# Altium PCB CM_PCB.PcbDoc (part 1 of 7) (continued)
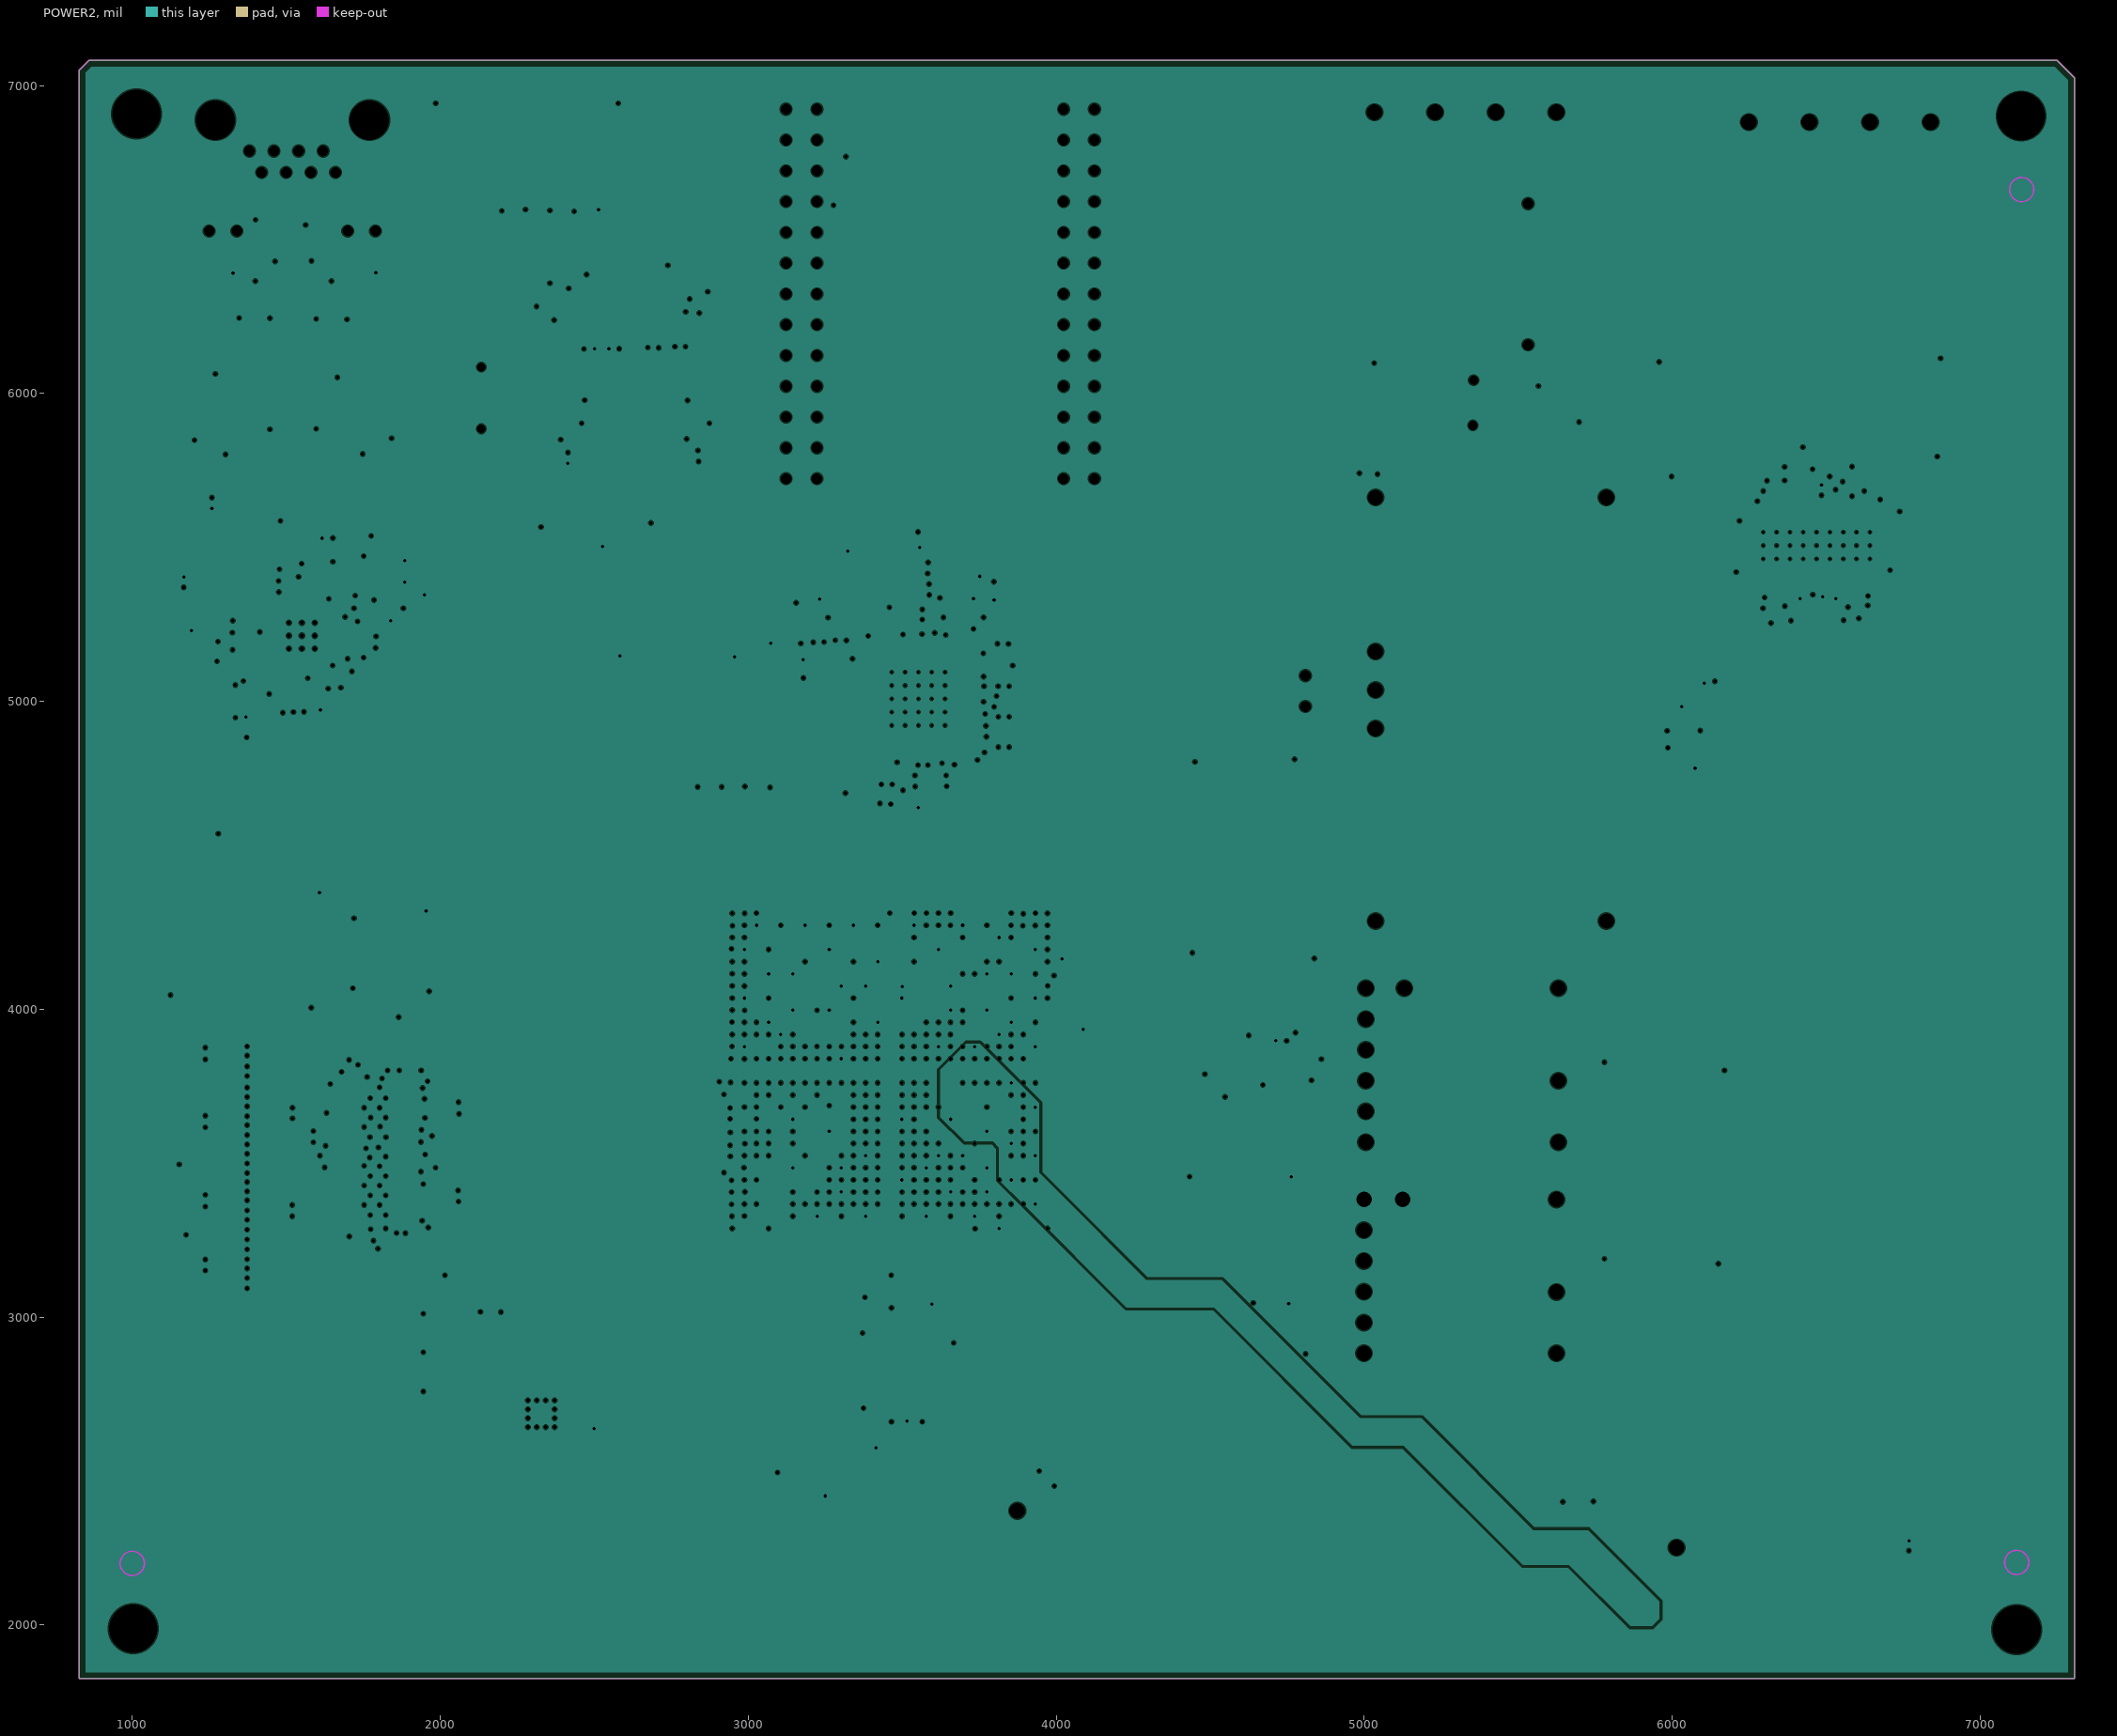
[diagram p8: POWER2, clearances drawn from the general rule]
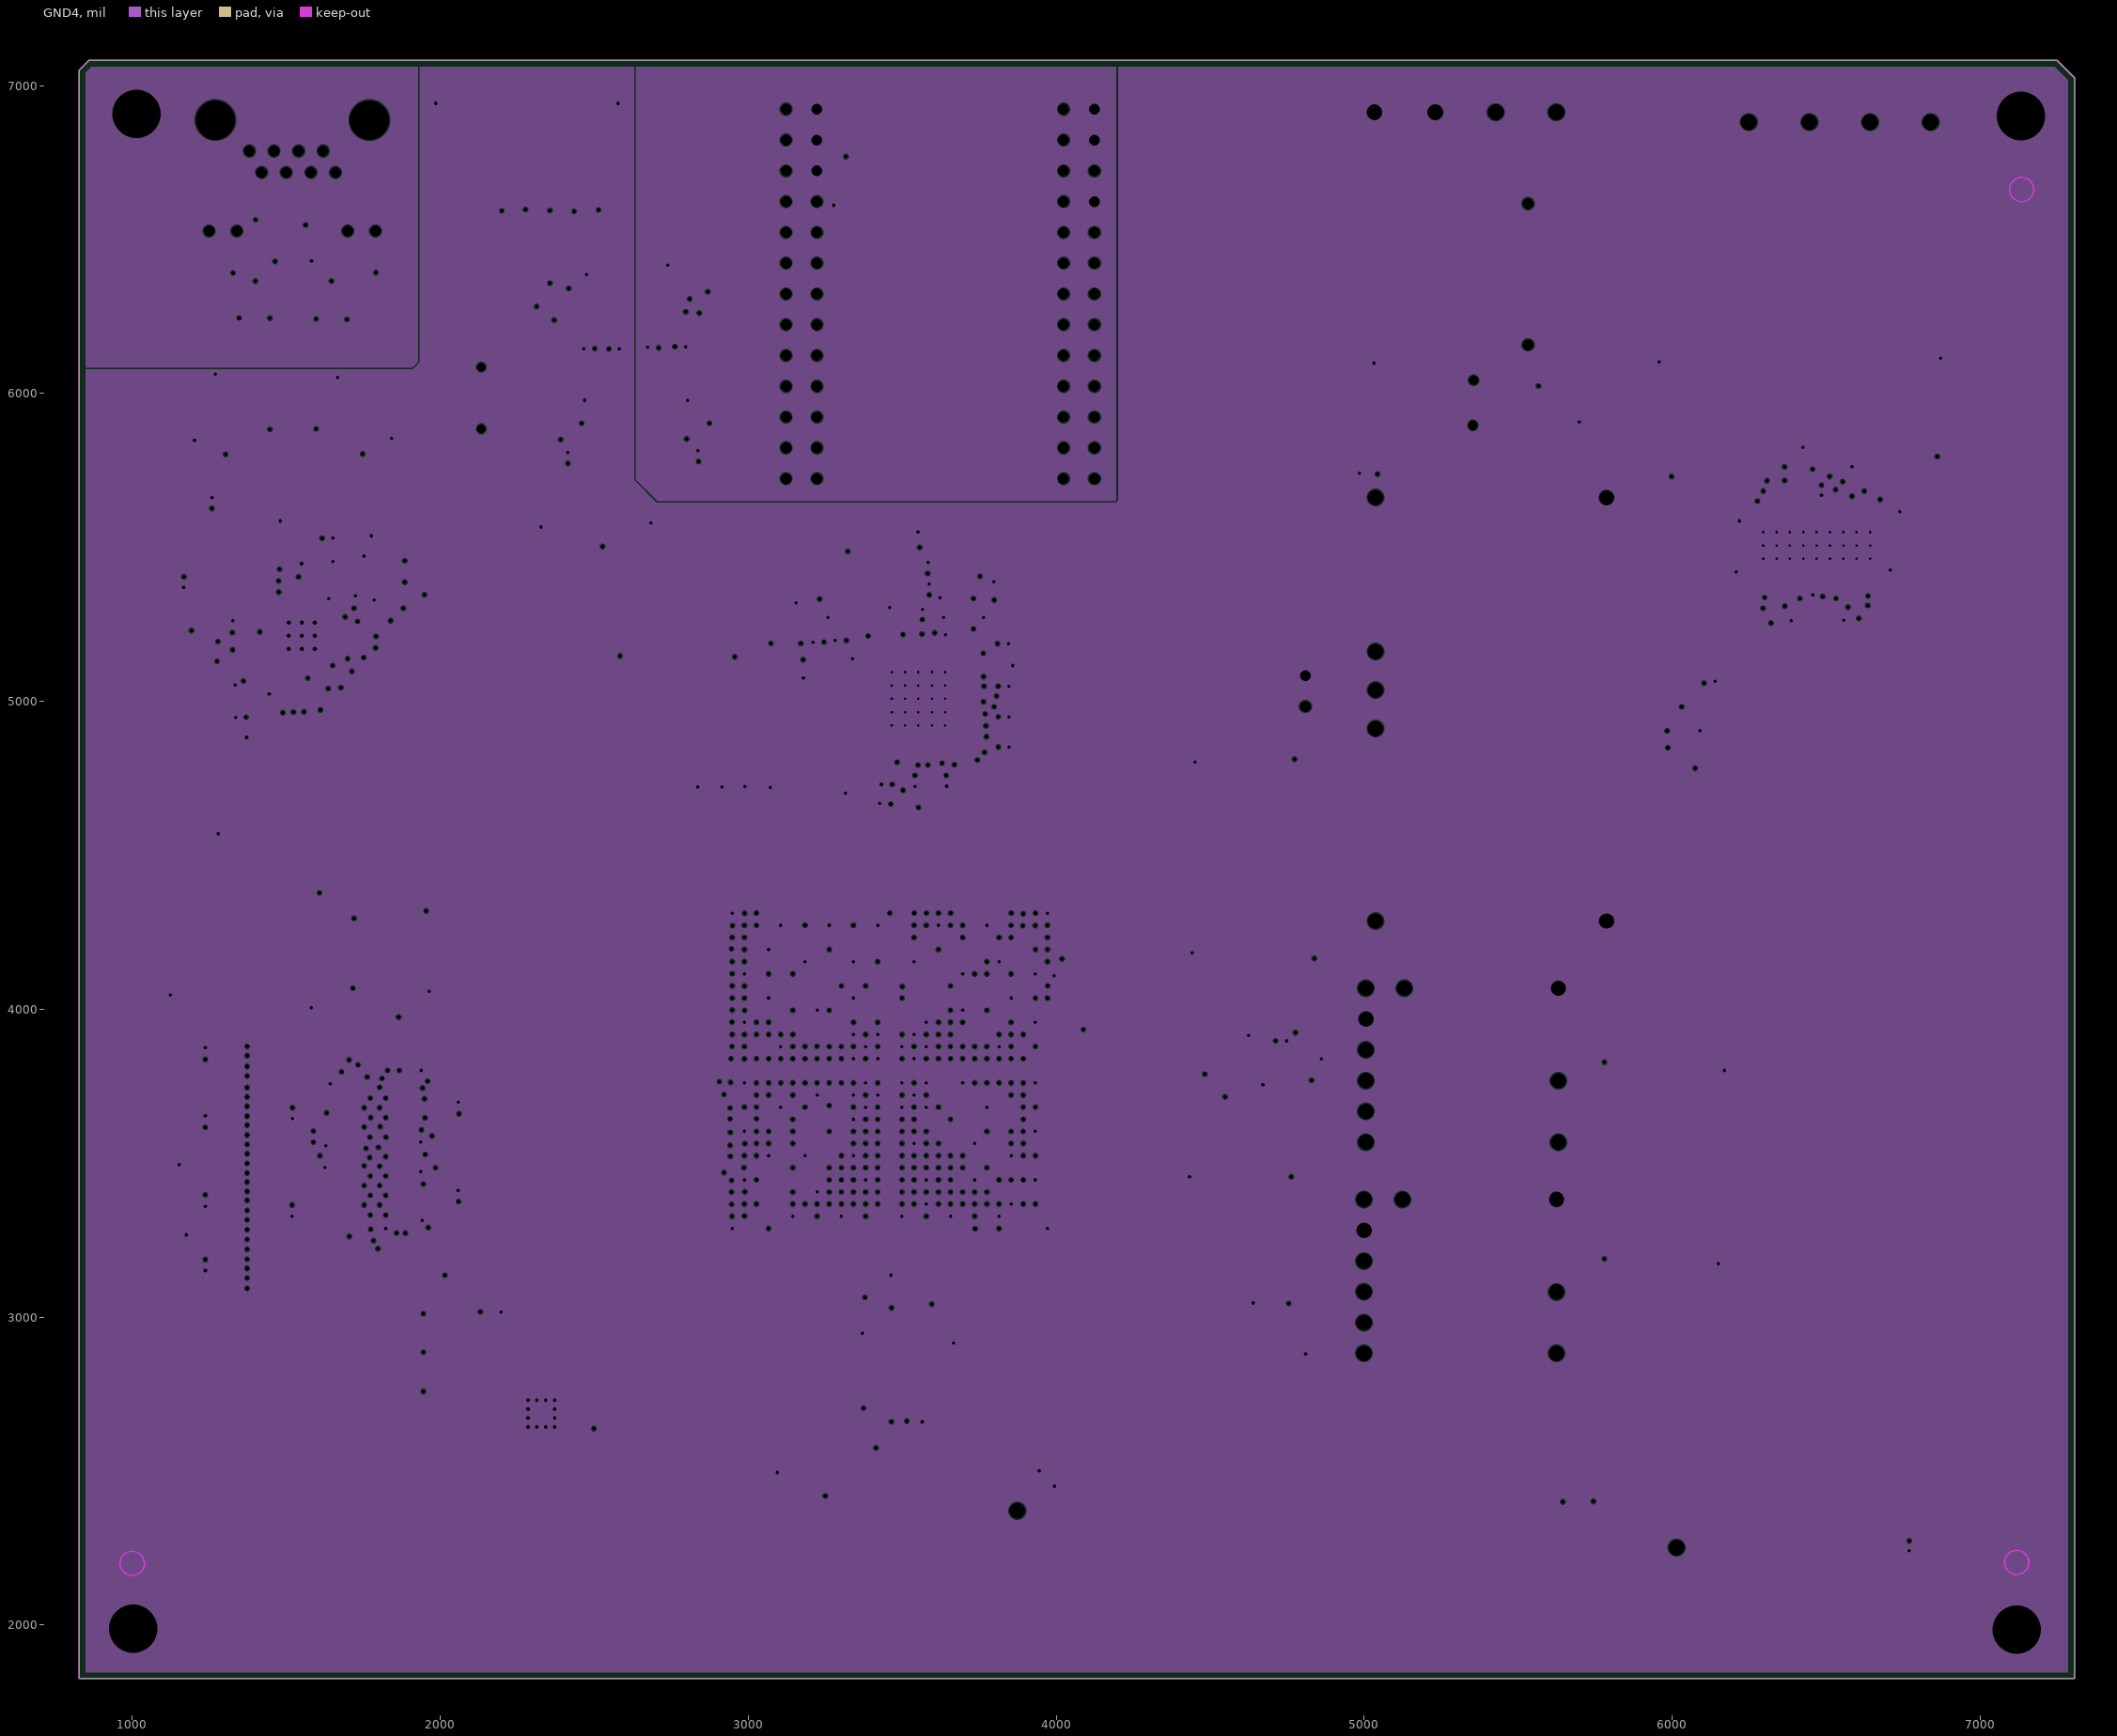
[diagram p9: GND4, clearances drawn from the general rule]
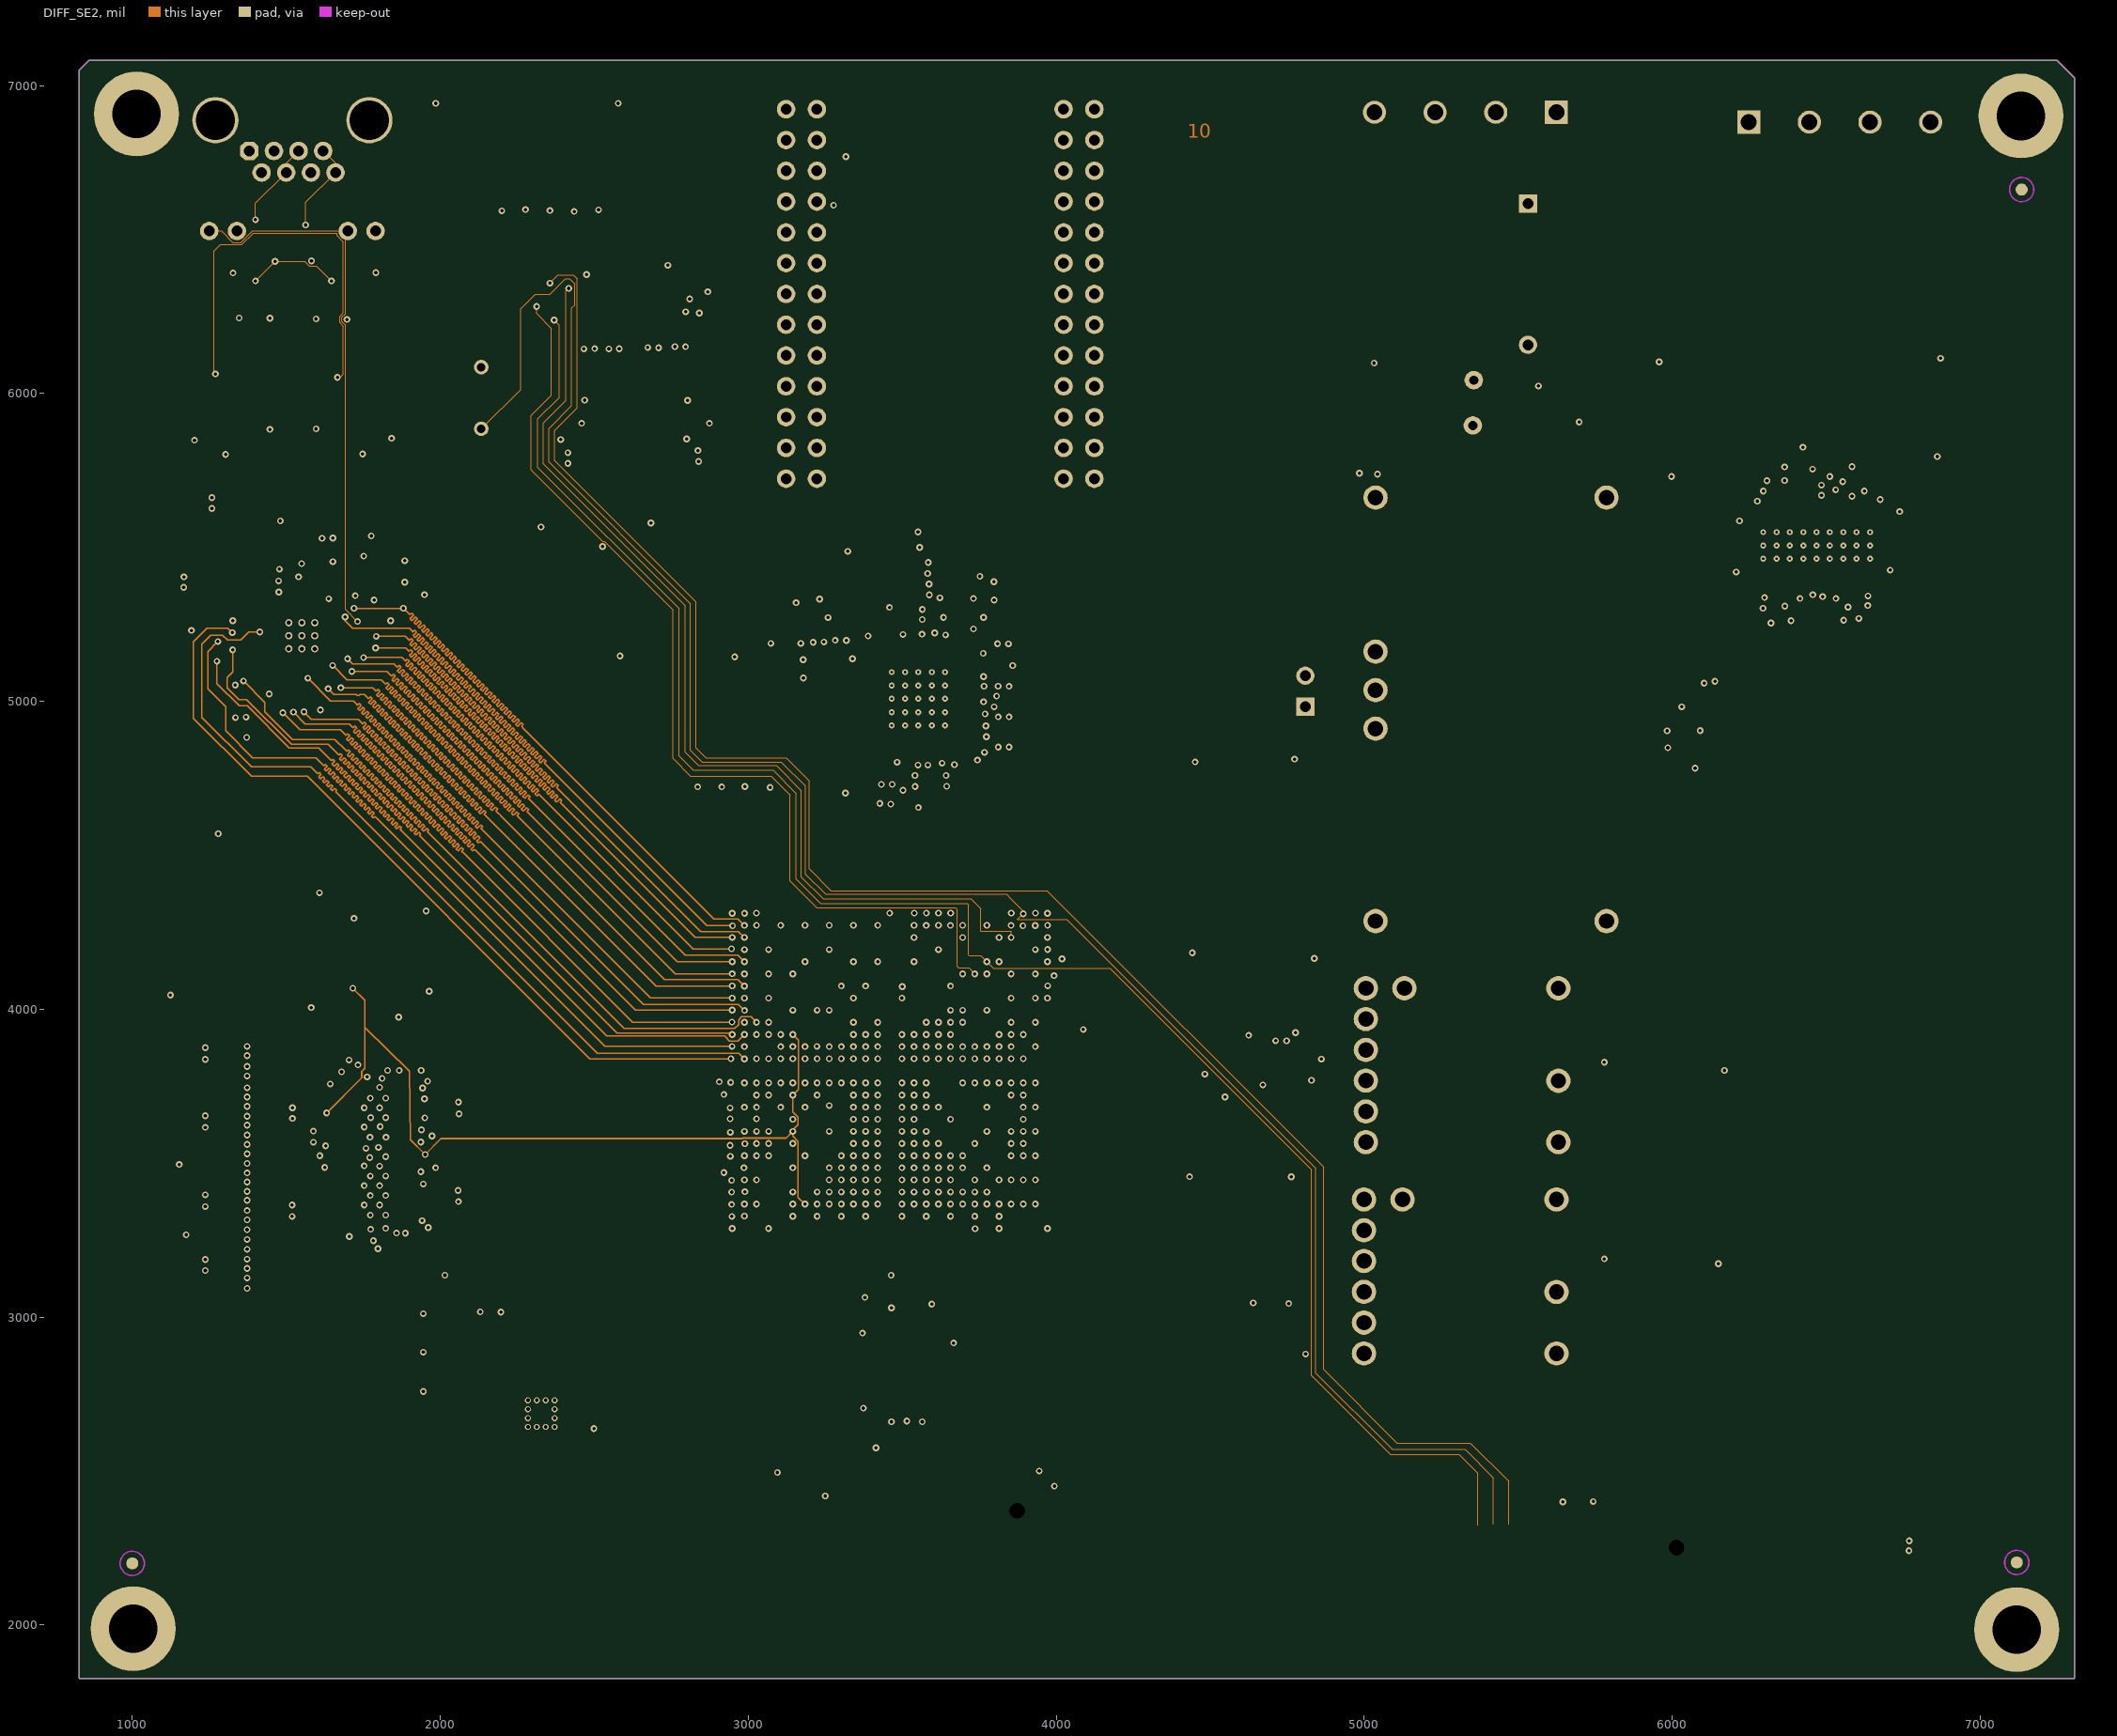
[diagram p10: DIFF_SE2]
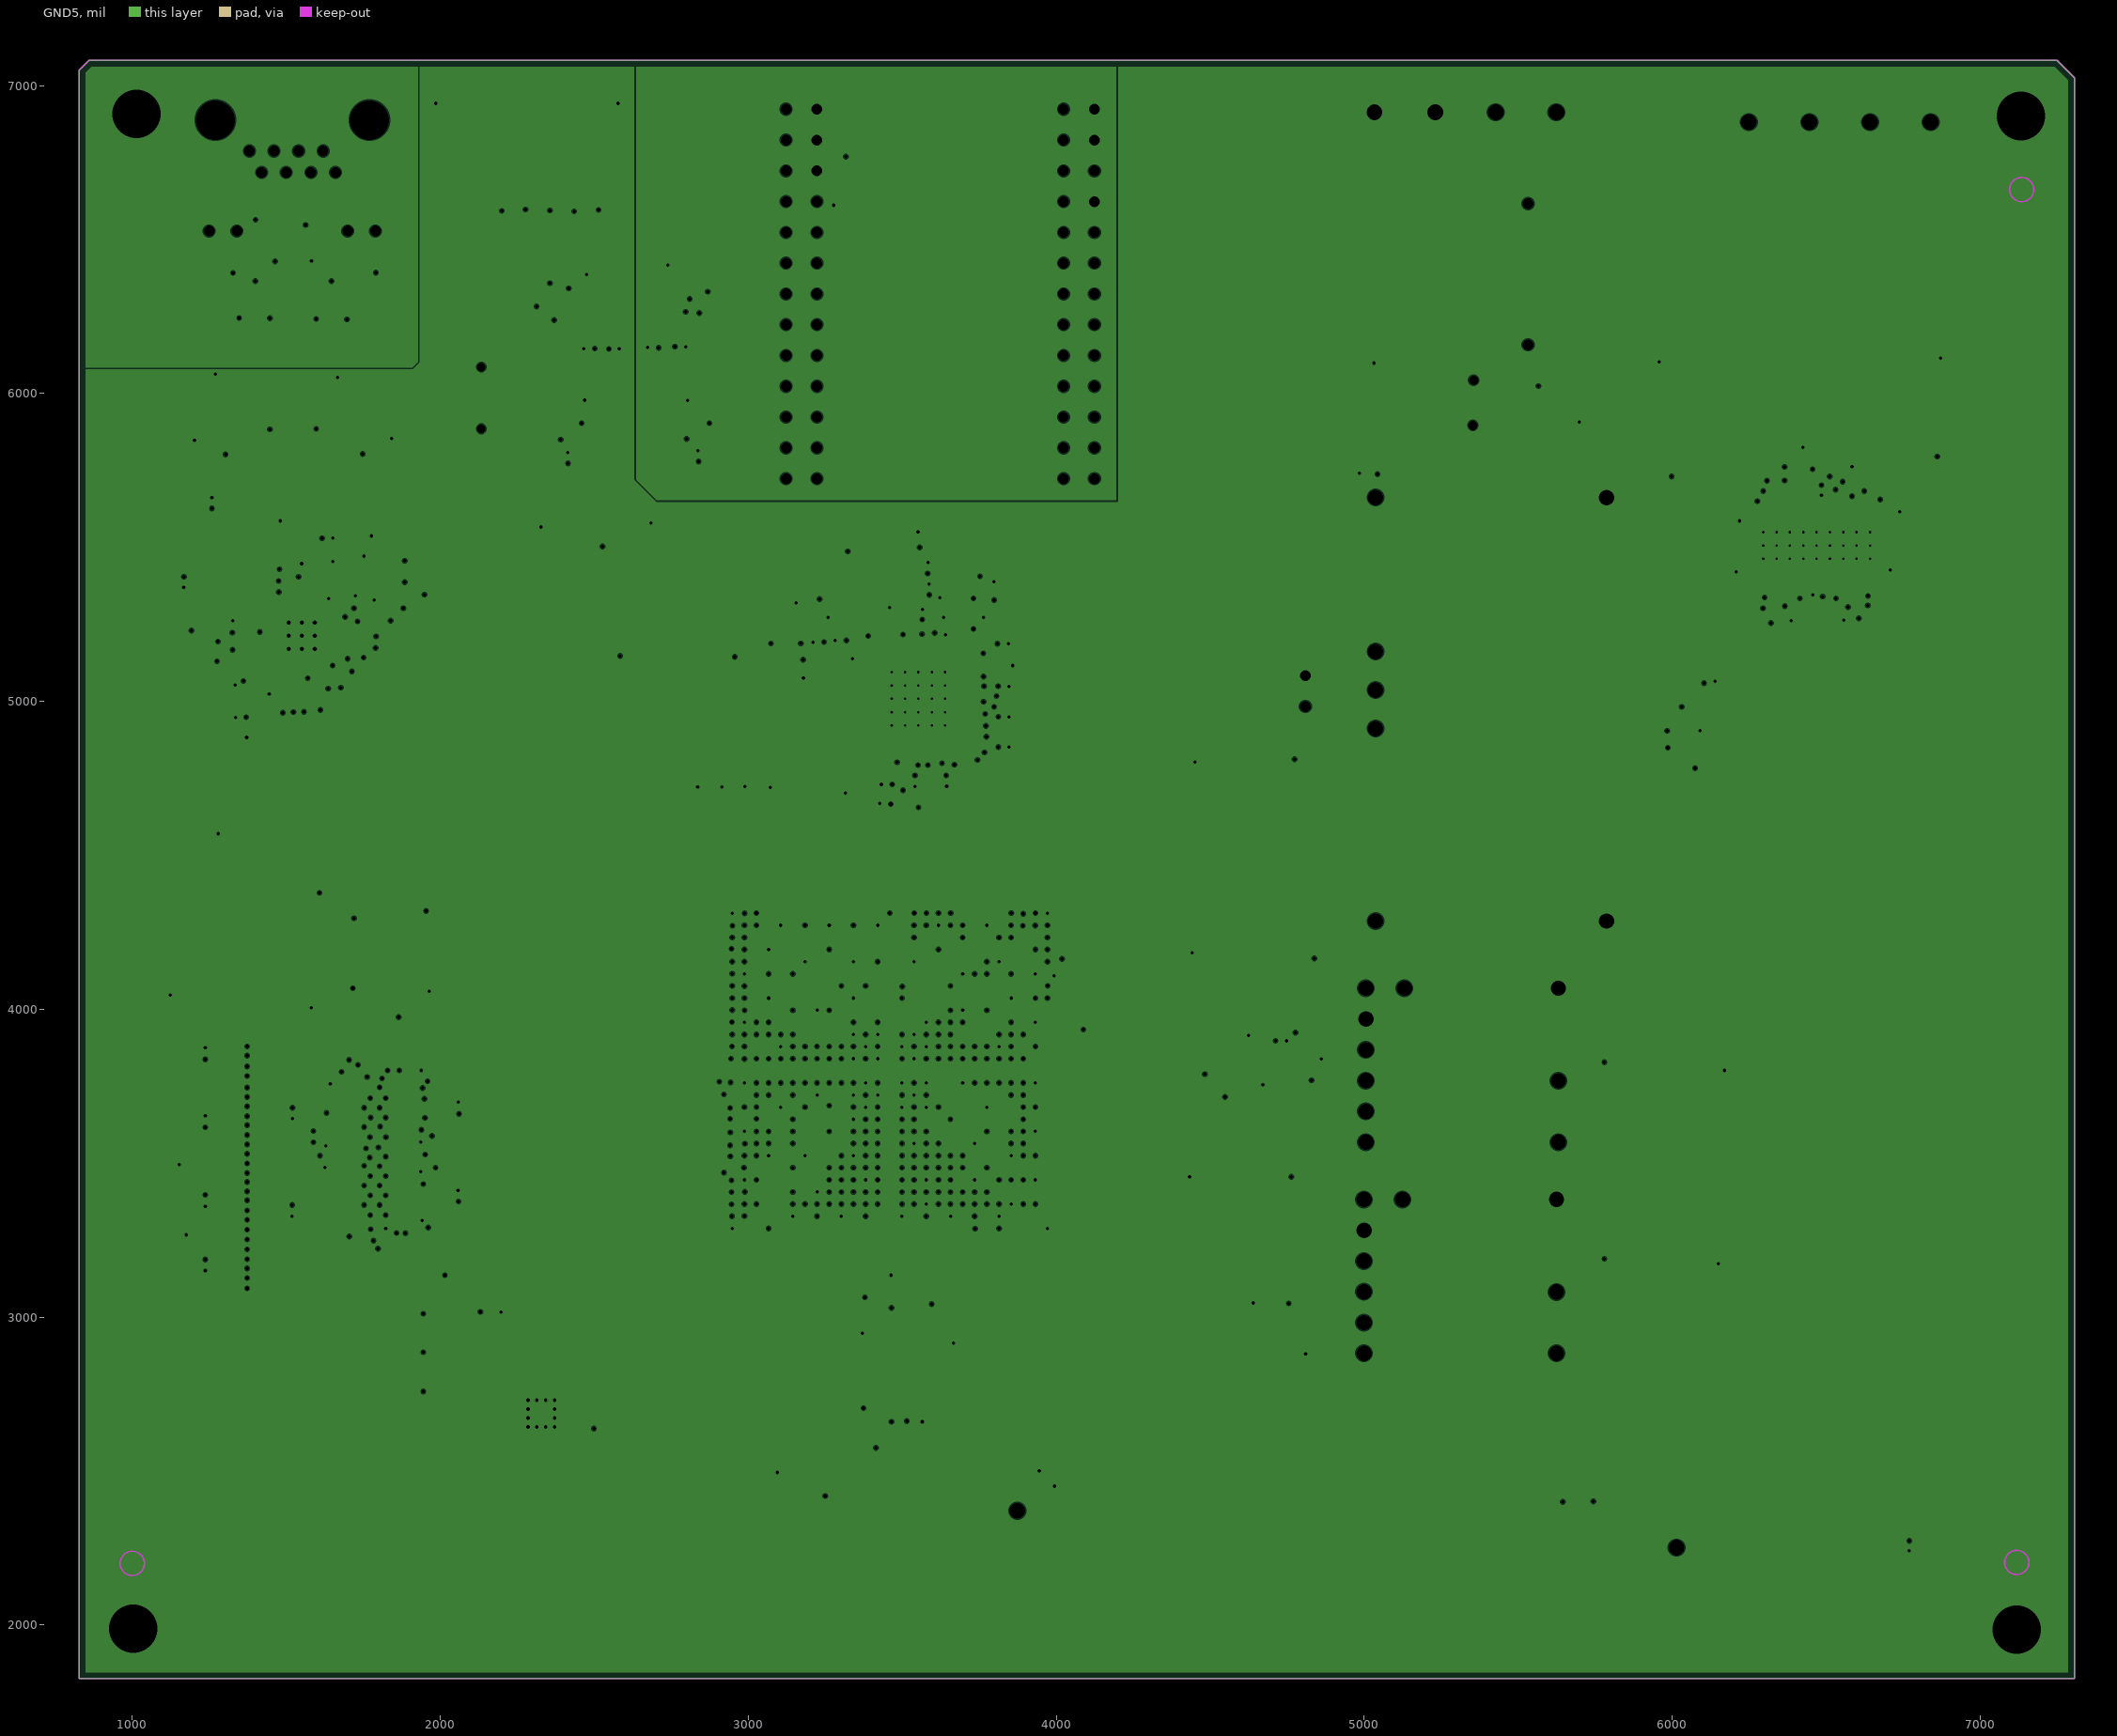
[diagram p11: GND5, clearances drawn from the general rule]